# Allegro board LED_FIN.brd (continued)
## Routing (per net, layer and track width the routed paths; a pad name or vN(x,y) marks a point on that pad's centre or on a via; arc(x,y) is an arc through that point) (continued)
COL_OUT_C21: length 257.4
  TOP w0.15: D13269.1 v1(235.25,192.8) ; D12639.1 v1(235.25,234.8) ; D13119.1 v1(235.25,202.8) ; D13179.1 v1(235.25,198.8) ; D12969.1 v1(235.25,212.8) ; D12609.1 v1(235.25,236.8) ; D13659.1 v1(235.25,166.8) ; D12699.1 v1(235.25,230.8) ; R339.1 234.7,10.6 v1(235.25,10.6) ; D13209.1 v1(235.25,196.8) ; D12909.1 v1(235.25,216.8) ; D13059.1 v1(235.25,206.8) ; D13419.1 v1(235.25,182.8) ; D13629.1 v1(235.25,168.8) ; D13599.1 v1(235.25,170.8) ; D13329.1 v1(235.25,188.8) ; D12759.1 v1(235.25,226.8) ; D12729.1 v1(235.25,228.8) ; D13389.1 v1(235.25,184.8) ; D13029.1 v1(235.25,208.8) ; D13449.1 v1(235.25,180.8) ; D13299.1 v1(235.25,190.8) ; D12579.1 v1(235.25,238.8) ; D12999.1 v1(235.25,210.8) ; D12849.1 v1(235.25,220.8) ; D12789.1 v1(235.25,224.8) ; D13239.1 v1(235.25,194.8) ; D13089.1 v1(235.25,204.8) ; D13479.1 v1(235.25,178.8) ; D12669.1 v1(235.25,232.8) ; D13569.1 v1(235.25,172.8) ; D12879.1 v1(235.25,218.8) ; D12939.1 v1(235.25,214.8) ; D13539.1 v1(235.25,174.8) ; D13509.1 v1(235.25,176.8) ; D12549.1 v1(235.25,240.8) ; D13359.1 v1(235.25,186.8) ; D12819.1 v1(235.25,222.8) ; D13149.1 v1(235.25,200.8)
  BOTTOM w0.15: v1(235.25,240.8) v1(235.25,238.8) v1(235.25,236.8) v1(235.25,234.8) v1(235.25,232.8) v1(235.25,230.8) v1(235.25,228.8) v1(235.25,226.8) v1(235.25,224.8) v1(235.25,222.8) v1(235.25,220.8) v1(235.25,218.8) v1(235.25,216.8) v1(235.25,214.8) v1(235.25,212.8) v1(235.25,210.8) v1(235.25,208.8) v1(235.25,206.8) v1(235.25,204.8) v1(235.25,202.8) v1(235.25,200.8) v1(235.25,198.8) v1(235.25,196.8) v1(235.25,194.8) v1(235.25,192.8) v1(235.25,190.8) v1(235.25,188.8) v1(235.25,186.8) v1(235.25,184.8) v1(235.25,182.8) v1(235.25,180.8) v1(235.25,178.8) v1(235.25,176.8) v1(235.25,174.8) v1(235.25,172.8) v1(235.25,170.8) v1(235.25,168.8) v1(235.25,166.8) v1(235.25,10.6)
COL_OUT_C22: length 257.5
  TOP w0.15: D13508.1 v1(233.25,176.8) ; D12668.1 v1(233.25,232.8) ; D13028.1 v1(233.25,208.8) ; D12968.1 v1(233.25,212.8) ; D12698.1 v1(233.25,230.8) ; D13418.1 v1(233.25,182.8) ; D12818.1 v1(233.25,222.8) ; v1(233.25,10.6) 232.7,10.6 R338.1 ; D13268.1 v1(233.25,192.8) ; D12938.1 v1(233.25,214.8) ; D12578.1 v1(233.25,238.8) ; D12728.1 v1(233.25,228.8) ; D12548.1 v1(233.25,240.8) ; D13238.1 v1(233.25,194.8) ; D13118.1 v1(233.25,202.8) ; D13328.1 v1(233.25,188.8) ; D13598.1 v1(233.25,170.8) ; D13568.1 v1(233.25,172.8) ; D13448.1 v1(233.25,180.8) ; D12608.1 v1(233.25,236.8) ; D13388.1 v1(233.25,184.8) ; D13058.1 v1(233.25,206.8) ; D13358.1 v1(233.25,186.8) ; D13148.1 v1(233.25,200.8) ; D13298.1 v1(233.25,190.8) ; D12908.1 v1(233.25,216.8) ; D12638.1 v1(233.25,234.8) ; D13088.1 v1(233.25,204.8) ; D13628.1 v1(233.25,168.8) ; D13178.1 v1(233.25,198.8) ; D12998.1 v1(233.25,210.8) ; D13658.1 v1(233.25,166.8) ; D12758.1 v1(233.25,226.8) ; D13538.1 v1(233.25,174.8) ; D12848.1 v1(233.25,220.8) ; D13478.1 v1(233.25,178.8) ; D13208.1 v1(233.25,196.8) ; D12878.1 v1(233.25,218.8) ; D12788.1 v1(233.25,224.8)
  BOTTOM w0.15: v1(233.25,10.6) 233.38,10.73 233.38,41.77 233.28,41.87 233.28,166.77 v1(233.25,166.8) v1(233.25,168.8) v1(233.25,170.8) v1(233.25,172.8) v1(233.25,174.8) v1(233.25,176.8) v1(233.25,178.8) v1(233.25,180.8) v1(233.25,182.8) v1(233.25,184.8) v1(233.25,186.8) v1(233.25,188.8) v1(233.25,190.8) v1(233.25,192.8) v1(233.25,194.8) v1(233.25,196.8) v1(233.25,198.8) v1(233.25,200.8) v1(233.25,202.8) v1(233.25,204.8) v1(233.25,206.8) v1(233.25,208.8) v1(233.25,210.8) v1(233.25,212.8) v1(233.25,214.8) v1(233.25,216.8) v1(233.25,218.8) v1(233.25,220.8) v1(233.25,222.8) v1(233.25,224.8) v1(233.25,226.8) v1(233.25,228.8) v1(233.25,230.8) v1(233.25,232.8) v1(233.25,234.8) v1(233.25,236.8) v1(233.25,238.8) v1(233.25,240.8)
COL_OUT_C23: length 258
  TOP w0.15: D13297.1 v1(231.25,190.8) ; D12757.1 v1(231.25,226.8) ; D13207.1 v1(231.25,196.8) ; D12697.1 v1(231.25,230.8) ; D13447.1 v1(231.25,180.8) ; D13357.1 v1(231.25,186.8) ; R337.1 230.7,10.6 v1(231.25,10.6) ; D13507.1 v1(231.25,176.8) ; D12907.1 v1(231.25,216.8) ; D13537.1 v1(231.25,174.8) ; D13237.1 v1(231.25,194.8) ; D13177.1 v1(231.25,198.8) ; D12607.1 v1(231.25,236.8) ; D13597.1 v1(231.25,170.8) ; D12967.1 v1(231.25,212.8) ; D12877.1 v1(231.25,218.8) ; D12997.1 v1(231.25,210.8) ; D12637.1 v1(231.25,234.8) ; D13477.1 v1(231.25,178.8) ; D12937.1 v1(231.25,214.8) ; D12547.1 v1(231.25,240.8) ; D13057.1 v1(231.25,206.8) ; D13087.1 v1(231.25,204.8) ; D12727.1 v1(231.25,228.8) ; D12787.1 v1(231.25,224.8) ; D13147.1 v1(231.25,200.8) ; D12577.1 v1(231.25,238.8) ; D13657.1 v1(231.25,166.8) ; D12847.1 v1(231.25,220.8) ; D12667.1 v1(231.25,232.8) ; D13027.1 v1(231.25,208.8) ; D12817.1 v1(231.25,222.8) ; D13117.1 v1(231.25,202.8) ; D13387.1 v1(231.25,184.8) ; D13327.1 v1(231.25,188.8) ; D13417.1 v1(231.25,182.8) ; D13267.1 v1(231.25,192.8) ; D13627.1 v1(231.25,168.8) ; D13567.1 v1(231.25,172.8)
  BOTTOM w0.15: v1(231.25,10.6) 231.25,11.1 230.91,11.44 230.91,41.77 231.16,42.02 231.16,129.63 230.81,129.98 230.81,131.75 231.25,132.19 v1(231.25,166.8) v1(231.25,168.8) v1(231.25,170.8) v1(231.25,172.8) v1(231.25,174.8) v1(231.25,176.8) v1(231.25,178.8) v1(231.25,180.8) v1(231.25,182.8) v1(231.25,184.8) v1(231.25,186.8) v1(231.25,188.8) v1(231.25,190.8) v1(231.25,192.8) v1(231.25,194.8) v1(231.25,196.8) v1(231.25,198.8) v1(231.25,200.8) v1(231.25,202.8) v1(231.25,204.8) v1(231.25,206.8) v1(231.25,208.8) v1(231.25,210.8) v1(231.25,212.8) v1(231.25,214.8) v1(231.25,216.8) v1(231.25,218.8) v1(231.25,220.8) v1(231.25,222.8) v1(231.25,224.8) v1(231.25,226.8) v1(231.25,228.8) v1(231.25,230.8) v1(231.25,232.8) v1(231.25,234.8) v1(231.25,236.8) v1(231.25,238.8) v1(231.25,240.8)
COL_OUT_C24: length 257.7
  TOP w0.15: R336.1 228.7,10.6 v1(229.25,10.6) ; D13176.1 v1(229.25,198.8) ; D12906.1 v1(229.25,216.8) ; D13026.1 v1(229.25,208.8) ; D13416.1 v1(229.25,182.8) ; D12726.1 v1(229.25,228.8) ; D13476.1 v1(229.25,178.8) ; D13086.1 v1(229.25,204.8) ; D13656.1 v1(229.25,166.8) ; D13146.1 v1(229.25,200.8) ; D12756.1 v1(229.25,226.8) ; D13356.1 v1(229.25,186.8) ; D12786.1 v1(229.25,224.8) ; D12846.1 v1(229.25,220.8) ; D13116.1 v1(229.25,202.8) ; D12876.1 v1(229.25,218.8) ; D13386.1 v1(229.25,184.8) ; D12816.1 v1(229.25,222.8) ; D12996.1 v1(229.25,210.8) ; D13446.1 v1(229.25,180.8) ; D13506.1 v1(229.25,176.8) ; D12546.1 v1(229.25,240.8) ; D12576.1 v1(229.25,238.8) ; D12666.1 v1(229.25,232.8) ; D12936.1 v1(229.25,214.8) ; D13296.1 v1(229.25,190.8) ; D12606.1 v1(229.25,236.8) ; D12636.1 v1(229.25,234.8) ; D13626.1 v1(229.25,168.8) ; D13536.1 v1(229.25,174.8) ; D13266.1 v1(229.25,192.8) ; D13206.1 v1(229.25,196.8) ; D13596.1 v1(229.25,170.8) ; D13236.1 v1(229.25,194.8) ; D13056.1 v1(229.25,206.8) ; D13566.1 v1(229.25,172.8) ; D12966.1 v1(229.25,212.8) ; D12696.1 v1(229.25,230.8) ; D13326.1 v1(229.25,188.8)
  BOTTOM w0.15: v1(229.25,240.8) v1(229.25,238.8) v1(229.25,236.8) v1(229.25,234.8) v1(229.25,232.8) v1(229.25,230.8) v1(229.25,228.8) v1(229.25,226.8) v1(229.25,224.8) v1(229.25,222.8) v1(229.25,220.8) v1(229.25,218.8) v1(229.25,216.8) v1(229.25,214.8) v1(229.25,212.8) v1(229.25,210.8) v1(229.25,208.8) v1(229.25,206.8) v1(229.25,204.8) v1(229.25,202.8) v1(229.25,200.8) v1(229.25,198.8) v1(229.25,196.8) v1(229.25,194.8) v1(229.25,192.8) v1(229.25,190.8) v1(229.25,188.8) v1(229.25,186.8) v1(229.25,184.8) v1(229.25,182.8) v1(229.25,180.8) v1(229.25,178.8) v1(229.25,176.8) v1(229.25,174.8) v1(229.25,172.8) v1(229.25,170.8) v1(229.25,168.8) v1(229.25,166.8) 229.25,131.97 229.47,131.75 229.47,41.87 229.57,41.77 229.57,11.42 229.25,11.1 v1(229.25,10.6)
COL_OUT_C25: length 257.6
  TOP w0.15: D13595.1 v1(227.25,170.8) ; D13325.1 v1(227.25,188.8) ; D12995.1 v1(227.25,210.8) ; D12635.1 v1(227.25,234.8) ; D12935.1 v1(227.25,214.8) ; D13565.1 v1(227.25,172.8) ; D13145.1 v1(227.25,200.8) ; D13205.1 v1(227.25,196.8) ; D12785.1 v1(227.25,224.8) ; D12725.1 v1(227.25,228.8) ; D12605.1 v1(227.25,236.8) ; D13445.1 v1(227.25,180.8) ; D13055.1 v1(227.25,206.8) ; D12695.1 v1(227.25,230.8) ; D12845.1 v1(227.25,220.8) ; D12965.1 v1(227.25,212.8) ; D12665.1 v1(227.25,232.8) ; D13505.1 v1(227.25,176.8) ; D12875.1 v1(227.25,218.8) ; D13535.1 v1(227.25,174.8) ; D13475.1 v1(227.25,178.8) ; D12545.1 v1(227.25,240.8) ; D12755.1 v1(227.25,226.8) ; D12575.1 v1(227.25,238.8) ; D12905.1 v1(227.25,216.8) ; D13265.1 v1(227.25,192.8) ; D13655.1 v1(227.25,166.8) ; D13115.1 v1(227.25,202.8) ; v1(227.25,10.6) 226.7,10.6 R335.1 ; D12815.1 v1(227.25,222.8) ; D13385.1 v1(227.25,184.8) ; D13235.1 v1(227.25,194.8) ; D13085.1 v1(227.25,204.8) ; D13295.1 v1(227.25,190.8) ; D13175.1 v1(227.25,198.8) ; D13625.1 v1(227.25,168.8) ; D13355.1 v1(227.25,186.8) ; D13415.1 v1(227.25,182.8) ; D13025.1 v1(227.25,208.8)
  BOTTOM w0.15: v1(227.25,10.6) 227.1,10.75 227.1,129.88 227,129.98 227,131.75 227.25,132 v1(227.25,166.8) v1(227.25,168.8) v1(227.25,170.8) v1(227.25,172.8) v1(227.25,174.8) v1(227.25,176.8) v1(227.25,178.8) v1(227.25,180.8) v1(227.25,182.8) v1(227.25,184.8) v1(227.25,186.8) v1(227.25,188.8) v1(227.25,190.8) v1(227.25,192.8) v1(227.25,194.8) v1(227.25,196.8) v1(227.25,198.8) v1(227.25,200.8) v1(227.25,202.8) v1(227.25,204.8) v1(227.25,206.8) v1(227.25,208.8) v1(227.25,210.8) v1(227.25,212.8) v1(227.25,214.8) v1(227.25,216.8) v1(227.25,218.8) v1(227.25,220.8) v1(227.25,222.8) v1(227.25,224.8) v1(227.25,226.8) v1(227.25,228.8) v1(227.25,230.8) v1(227.25,232.8) v1(227.25,234.8) v1(227.25,236.8) v1(227.25,238.8) v1(227.25,240.8)
COL_OUT_C26: length 258.1
  TOP w0.15: D13174.1 v1(225.25,198.8) ; D13564.1 v1(225.25,172.8) ; D13594.1 v1(225.25,170.8) ; D13354.1 v1(225.25,186.8) ; D12814.1 v1(225.25,222.8) ; D12964.1 v1(225.25,212.8) ; D13624.1 v1(225.25,168.8) ; D13114.1 v1(225.25,202.8) ; D13534.1 v1(225.25,174.8) ; v1(225.25,10.6) 224.7,10.6 R334.1 ; D12604.1 v1(225.25,236.8) ; D12754.1 v1(225.25,226.8) ; D13264.1 v1(225.25,192.8) ; D12694.1 v1(225.25,230.8) ; D13234.1 v1(225.25,194.8) ; D12724.1 v1(225.25,228.8) ; D12904.1 v1(225.25,216.8) ; D13144.1 v1(225.25,200.8) ; D12934.1 v1(225.25,214.8) ; D12574.1 v1(225.25,238.8) ; D13054.1 v1(225.25,206.8) ; D12844.1 v1(225.25,220.8) ; D13654.1 v1(225.25,166.8) ; D12874.1 v1(225.25,218.8) ; D13084.1 v1(225.25,204.8) ; D12994.1 v1(225.25,210.8) ; D12784.1 v1(225.25,224.8) ; D13504.1 v1(225.25,176.8) ; D13414.1 v1(225.25,182.8) ; D13324.1 v1(225.25,188.8) ; D13294.1 v1(225.25,190.8) ; D12544.1 v1(225.25,240.8) ; D13384.1 v1(225.25,184.8) ; D13204.1 v1(225.25,196.8) ; D13474.1 v1(225.25,178.8) ; D12664.1 v1(225.25,232.8) ; D13444.1 v1(225.25,180.8) ; D12634.1 v1(225.25,234.8) ; D13024.1 v1(225.25,208.8)
  BOTTOM w0.15: v1(225.25,240.8) v1(225.25,238.8) v1(225.25,236.8) v1(225.25,234.8) v1(225.25,232.8) v1(225.25,230.8) v1(225.25,228.8) v1(225.25,226.8) v1(225.25,224.8) v1(225.25,222.8) v1(225.25,220.8) v1(225.25,218.8) v1(225.25,216.8) v1(225.25,214.8) v1(225.25,212.8) v1(225.25,210.8) v1(225.25,208.8) v1(225.25,206.8) v1(225.25,204.8) v1(225.25,202.8) v1(225.25,200.8) v1(225.25,198.8) v1(225.25,196.8) v1(225.25,194.8) v1(225.25,192.8) v1(225.25,190.8) v1(225.25,188.8) v1(225.25,186.8) v1(225.25,184.8) v1(225.25,182.8) v1(225.25,180.8) v1(225.25,178.8) v1(225.25,176.8) v1(225.25,174.8) v1(225.25,172.8) v1(225.25,170.8) v1(225.25,168.8) v1(225.25,166.8) 225.25,132.16 225.66,131.75 225.66,129.98 225.41,129.73 225.41,42.12 225.76,41.77 225.76,40 225.25,39.49 v1(225.25,10.6)
COL_OUT_C27: length 257.5
  TOP w0.15: D13623.1 v1(223.25,168.8) ; D12573.1 v1(223.25,238.8) ; D12843.1 v1(223.25,220.8) ; D13113.1 v1(223.25,202.8) ; D12543.1 v1(223.25,240.8) ; D12933.1 v1(223.25,214.8) ; D13383.1 v1(223.25,184.8) ; D13503.1 v1(223.25,176.8) ; D12813.1 v1(223.25,222.8) ; D12663.1 v1(223.25,232.8) ; D13263.1 v1(223.25,192.8) ; D12903.1 v1(223.25,216.8) ; D13353.1 v1(223.25,186.8) ; R333.1 222.7,10.6 v1(223.25,10.6) ; D13203.1 v1(223.25,196.8) ; D13173.1 v1(223.25,198.8) ; D13413.1 v1(223.25,182.8) ; D12693.1 v1(223.25,230.8) ; D13323.1 v1(223.25,188.8) ; D13593.1 v1(223.25,170.8) ; D12993.1 v1(223.25,210.8) ; D13533.1 v1(223.25,174.8) ; D12723.1 v1(223.25,228.8) ; D13473.1 v1(223.25,178.8) ; D12963.1 v1(223.25,212.8) ; D13023.1 v1(223.25,208.8) ; D13443.1 v1(223.25,180.8) ; D12753.1 v1(223.25,226.8) ; D13293.1 v1(223.25,190.8) ; D12633.1 v1(223.25,234.8) ; D13143.1 v1(223.25,200.8) ; D12603.1 v1(223.25,236.8) ; D13083.1 v1(223.25,204.8) ; D13653.1 v1(223.25,166.8) ; D12783.1 v1(223.25,224.8) ; D12873.1 v1(223.25,218.8) ; D13233.1 v1(223.25,194.8) ; D13053.1 v1(223.25,206.8) ; D13563.1 v1(223.25,172.8)
  BOTTOM w0.15: v1(223.25,240.8) v1(223.25,238.8) v1(223.25,236.8) v1(223.25,234.8) v1(223.25,232.8) v1(223.25,230.8) v1(223.25,228.8) v1(223.25,226.8) v1(223.25,224.8) v1(223.25,222.8) v1(223.25,220.8) v1(223.25,218.8) v1(223.25,216.8) v1(223.25,214.8) v1(223.25,212.8) v1(223.25,210.8) v1(223.25,208.8) v1(223.25,206.8) v1(223.25,204.8) v1(223.25,202.8) v1(223.25,200.8) v1(223.25,198.8) v1(223.25,196.8) v1(223.25,194.8) v1(223.25,192.8) v1(223.25,190.8) v1(223.25,188.8) v1(223.25,186.8) v1(223.25,184.8) v1(223.25,182.8) v1(223.25,180.8) v1(223.25,178.8) v1(223.25,176.8) v1(223.25,174.8) v1(223.25,172.8) v1(223.25,170.8) v1(223.25,168.8) v1(223.25,166.8) 223.19,166.74 223.19,129.98 223.25,129.92 v1(223.25,10.6)
COL_OUT_C28: length 258.2
  TOP w0.15: D13142.1 v1(221.25,200.8) ; D13442.1 v1(221.25,180.8) ; D13652.1 v1(221.25,166.8) ; D13202.1 v1(221.25,196.8) ; D12812.1 v1(221.25,222.8) ; D13292.1 v1(221.25,190.8) ; D12842.1 v1(221.25,220.8) ; D13082.1 v1(221.25,204.8) ; v1(221.25,10.6) 220.7,10.6 R332.1 ; D13022.1 v1(221.25,208.8) ; D13052.1 v1(221.25,206.8) ; D13172.1 v1(221.25,198.8) ; D13382.1 v1(221.25,184.8) ; D13532.1 v1(221.25,174.8) ; D12692.1 v1(221.25,230.8) ; D12542.1 v1(221.25,240.8) ; D13352.1 v1(221.25,186.8) ; D13262.1 v1(221.25,192.8) ; D12632.1 v1(221.25,234.8) ; D12752.1 v1(221.25,226.8) ; D12602.1 v1(221.25,236.8) ; D12992.1 v1(221.25,210.8) ; D12932.1 v1(221.25,214.8) ; D13592.1 v1(221.25,170.8) ; D12782.1 v1(221.25,224.8) ; D13322.1 v1(221.25,188.8) ; D13112.1 v1(221.25,202.8) ; D13232.1 v1(221.25,194.8) ; D12902.1 v1(221.25,216.8) ; D13412.1 v1(221.25,182.8) ; D12872.1 v1(221.25,218.8) ; D12662.1 v1(221.25,232.8) ; D12722.1 v1(221.25,228.8) ; D12572.1 v1(221.25,238.8) ; D13622.1 v1(221.25,168.8) ; D12962.1 v1(221.25,212.8) ; D13502.1 v1(221.25,176.8) ; D13472.1 v1(221.25,178.8) ; D13562.1 v1(221.25,172.8)
  BOTTOM w0.15: v1(221.25,10.6) 220.75,11.1 220.75,41.77 221.1,42.12 221.1,129.53 220.65,129.98 220.65,131.75 221.25,132.35 v1(221.25,166.8) v1(221.25,168.8) v1(221.25,170.8) v1(221.25,172.8) v1(221.25,174.8) v1(221.25,176.8) v1(221.25,178.8) v1(221.25,180.8) v1(221.25,182.8) v1(221.25,184.8) v1(221.25,186.8) v1(221.25,188.8) v1(221.25,190.8) v1(221.25,192.8) v1(221.25,194.8) v1(221.25,196.8) v1(221.25,198.8) v1(221.25,200.8) v1(221.25,202.8) v1(221.25,204.8) v1(221.25,206.8) v1(221.25,208.8) v1(221.25,210.8) v1(221.25,212.8) v1(221.25,214.8) v1(221.25,216.8) v1(221.25,218.8) v1(221.25,220.8) v1(221.25,222.8) v1(221.25,224.8) v1(221.25,226.8) v1(221.25,228.8) v1(221.25,230.8) v1(221.25,232.8) v1(221.25,234.8) v1(221.25,236.8) v1(221.25,238.8) v1(221.25,240.8)
COL_OUT_C29: length 257.6
  TOP w0.15: D13591.1 v1(219.25,170.8) ; D13441.1 v1(219.25,180.8) ; D12901.1 v1(219.25,216.8) ; D13231.1 v1(219.25,194.8) ; D12961.1 v1(219.25,212.8) ; D13531.1 v1(219.25,174.8) ; D13171.1 v1(219.25,198.8) ; D12841.1 v1(219.25,220.8) ; D13561.1 v1(219.25,172.8) ; R331.1 218.7,10.6 v1(219.25,10.6) ; D13321.1 v1(219.25,188.8) ; D13381.1 v1(219.25,184.8) ; D12781.1 v1(219.25,224.8) ; D13291.1 v1(219.25,190.8) ; D12661.1 v1(219.25,232.8) ; D12721.1 v1(219.25,228.8) ; D13201.1 v1(219.25,196.8) ; D13051.1 v1(219.25,206.8) ; D12811.1 v1(219.25,222.8) ; D13501.1 v1(219.25,176.8) ; D13411.1 v1(219.25,182.8) ; D12691.1 v1(219.25,230.8) ; D13081.1 v1(219.25,204.8) ; D13621.1 v1(219.25,168.8) ; D13651.1 v1(219.25,166.8) ; D13111.1 v1(219.25,202.8) ; D12571.1 v1(219.25,238.8) ; D13471.1 v1(219.25,178.8) ; D13141.1 v1(219.25,200.8) ; D13351.1 v1(219.25,186.8) ; D12931.1 v1(219.25,214.8) ; D12751.1 v1(219.25,226.8) ; D12541.1 v1(219.25,240.8) ; D12601.1 v1(219.25,236.8) ; D12991.1 v1(219.25,210.8) ; D13261.1 v1(219.25,192.8) ; D13021.1 v1(219.25,208.8) ; D12871.1 v1(219.25,218.8) ; D12631.1 v1(219.25,234.8)
  BOTTOM w0.15: v1(219.25,10.6) 219.41,10.76 219.41,41.77 219.31,41.87 219.31,166.74 v1(219.25,166.8) v1(219.25,168.8) v1(219.25,170.8) v1(219.25,172.8) v1(219.25,174.8) v1(219.25,176.8) v1(219.25,178.8) v1(219.25,180.8) v1(219.25,182.8) v1(219.25,184.8) v1(219.25,186.8) v1(219.25,188.8) v1(219.25,190.8) v1(219.25,192.8) v1(219.25,194.8) v1(219.25,196.8) v1(219.25,198.8) v1(219.25,200.8) v1(219.25,202.8) v1(219.25,204.8) v1(219.25,206.8) v1(219.25,208.8) v1(219.25,210.8) v1(219.25,212.8) v1(219.25,214.8) v1(219.25,216.8) v1(219.25,218.8) v1(219.25,220.8) v1(219.25,222.8) v1(219.25,224.8) v1(219.25,226.8) v1(219.25,228.8) v1(219.25,230.8) v1(219.25,232.8) v1(219.25,234.8) v1(219.25,236.8) v1(219.25,238.8) v1(219.25,240.8)
COL_OUT_C30: length 258
  TOP w0.15: D12150.1 v1(217.25,192.8) ; D11580.1 v1(217.25,230.8) ; D11460.1 v1(217.25,238.8) ; D11700.1 v1(217.25,222.8) ; D12090.1 v1(217.25,196.8) ; D11490.1 v1(217.25,236.8) ; D11430.1 v1(217.25,240.8) ; v1(217.25,10.6) 216.7,10.6 R330.1 ; D12480.1 v1(217.25,170.8) ; D11520.1 v1(217.25,234.8) ; D11670.1 v1(217.25,224.8) ; D12330.1 v1(217.25,180.8) ; D12270.1 v1(217.25,184.8) ; D11820.1 v1(217.25,214.8) ; D12030.1 v1(217.25,200.8) ; D12540.1 v1(217.25,166.8) ; D11730.1 v1(217.25,220.8) ; D11910.1 v1(217.25,208.8) ; D12000.1 v1(217.25,202.8) ; D11850.1 v1(217.25,212.8) ; D11640.1 v1(217.25,226.8) ; D11550.1 v1(217.25,232.8) ; D11760.1 v1(217.25,218.8) ; D11610.1 v1(217.25,228.8) ; D12360.1 v1(217.25,178.8) ; D12510.1 v1(217.25,168.8) ; D11970.1 v1(217.25,204.8) ; D11790.1 v1(217.25,216.8) ; D12240.1 v1(217.25,186.8) ; D12120.1 v1(217.25,194.8) ; D12390.1 v1(217.25,176.8) ; D12300.1 v1(217.25,182.8) ; D12210.1 v1(217.25,188.8) ; D12420.1 v1(217.25,174.8) ; D12180.1 v1(217.25,190.8) ; D12450.1 v1(217.25,172.8) ; D12060.1 v1(217.25,198.8) ; D11880.1 v1(217.25,210.8) ; D11940.1 v1(217.25,206.8)
  BOTTOM w0.15: v1(217.25,10.6) 217.25,11.1 216.94,11.41 216.94,41.77 217.19,42.02 217.19,129.63 216.84,129.98 216.84,131.75 217.25,132.16 v1(217.25,166.8) v1(217.25,168.8) v1(217.25,170.8) v1(217.25,172.8) v1(217.25,174.8) v1(217.25,176.8) v1(217.25,178.8) v1(217.25,180.8) v1(217.25,182.8) v1(217.25,184.8) v1(217.25,186.8) v1(217.25,188.8) v1(217.25,190.8) v1(217.25,192.8) v1(217.25,194.8) v1(217.25,196.8) v1(217.25,198.8) v1(217.25,200.8) v1(217.25,202.8) v1(217.25,204.8) v1(217.25,206.8) v1(217.25,208.8) v1(217.25,210.8) v1(217.25,212.8) v1(217.25,214.8) v1(217.25,216.8) v1(217.25,218.8) v1(217.25,220.8) v1(217.25,222.8) v1(217.25,224.8) v1(217.25,226.8) v1(217.25,228.8) v1(217.25,230.8) v1(217.25,232.8) v1(217.25,234.8) v1(217.25,236.8) v1(217.25,238.8) v1(217.25,240.8)
COL_OUT_C31: length 257.7
  TOP w0.15: D12539.1 v1(215.25,166.8) ; D11849.1 v1(215.25,212.8) ; D12329.1 v1(215.25,180.8) ; D12209.1 v1(215.25,188.8) ; D11609.1 v1(215.25,228.8) ; D12269.1 v1(215.25,184.8) ; D11729.1 v1(215.25,220.8) ; D12359.1 v1(215.25,178.8) ; D11429.1 v1(215.25,240.8) ; D12089.1 v1(215.25,196.8) ; D12419.1 v1(215.25,174.8) ; D11639.1 v1(215.25,226.8) ; D11549.1 v1(215.25,232.8) ; D12389.1 v1(215.25,176.8) ; D11489.1 v1(215.25,236.8) ; D11579.1 v1(215.25,230.8) ; D11789.1 v1(215.25,216.8) ; D12509.1 v1(215.25,168.8) ; R329.1 214.7,10.6 v1(215.25,10.6) ; D11759.1 v1(215.25,218.8) ; D11699.1 v1(215.25,222.8) ; D12029.1 v1(215.25,200.8) ; D12149.1 v1(215.25,192.8) ; D11669.1 v1(215.25,224.8) ; D12239.1 v1(215.25,186.8) ; D11519.1 v1(215.25,234.8) ; D12059.1 v1(215.25,198.8) ; D12179.1 v1(215.25,190.8) ; D11879.1 v1(215.25,210.8) ; D11909.1 v1(215.25,208.8) ; D11819.1 v1(215.25,214.8) ; D12119.1 v1(215.25,194.8) ; D12449.1 v1(215.25,172.8) ; D11999.1 v1(215.25,202.8) ; D11969.1 v1(215.25,204.8) ; D11939.1 v1(215.25,206.8) ; D11459.1 v1(215.25,238.8) ; D12479.1 v1(215.25,170.8) ; D12299.1 v1(215.25,182.8)
  BOTTOM w0.15: v1(215.25,240.8) v1(215.25,238.8) v1(215.25,236.8) v1(215.25,234.8) v1(215.25,232.8) v1(215.25,230.8) v1(215.25,228.8) v1(215.25,226.8) v1(215.25,224.8) v1(215.25,222.8) v1(215.25,220.8) v1(215.25,218.8) v1(215.25,216.8) v1(215.25,214.8) v1(215.25,212.8) v1(215.25,210.8) v1(215.25,208.8) v1(215.25,206.8) v1(215.25,204.8) v1(215.25,202.8) v1(215.25,200.8) v1(215.25,198.8) v1(215.25,196.8) v1(215.25,194.8) v1(215.25,192.8) v1(215.25,190.8) v1(215.25,188.8) v1(215.25,186.8) v1(215.25,184.8) v1(215.25,182.8) v1(215.25,180.8) v1(215.25,178.8) v1(215.25,176.8) v1(215.25,174.8) v1(215.25,172.8) v1(215.25,170.8) v1(215.25,168.8) v1(215.25,166.8) 215.25,132 215.5,131.75 215.5,41.87 215.6,41.77 215.6,11.45 215.25,11.1 v1(215.25,10.6)
COL_OUT_C32: length 257.6
  TOP w0.15: D11578.1 v1(213.25,230.8) ; R328.1 212.7,10.6 v1(213.25,10.6) ; D12148.1 v1(213.25,192.8) ; D11638.1 v1(213.25,226.8) ; D12178.1 v1(213.25,190.8) ; D12208.1 v1(213.25,188.8) ; D12088.1 v1(213.25,196.8) ; D12478.1 v1(213.25,170.8) ; D12508.1 v1(213.25,168.8) ; D12448.1 v1(213.25,172.8) ; D12058.1 v1(213.25,198.8) ; D12028.1 v1(213.25,200.8) ; D11428.1 v1(213.25,240.8) ; D11938.1 v1(213.25,206.8) ; D11488.1 v1(213.25,236.8) ; D11848.1 v1(213.25,212.8) ; D11698.1 v1(213.25,222.8) ; D11518.1 v1(213.25,234.8) ; D11998.1 v1(213.25,202.8) ; D12328.1 v1(213.25,180.8) ; D11728.1 v1(213.25,220.8) ; D12238.1 v1(213.25,186.8) ; D11608.1 v1(213.25,228.8) ; D11548.1 v1(213.25,232.8) ; D11818.1 v1(213.25,214.8) ; D12268.1 v1(213.25,184.8) ; D12358.1 v1(213.25,178.8) ; D12118.1 v1(213.25,194.8) ; D11908.1 v1(213.25,208.8) ; D12418.1 v1(213.25,174.8) ; D11668.1 v1(213.25,224.8) ; D12538.1 v1(213.25,166.8) ; D12388.1 v1(213.25,176.8) ; D12298.1 v1(213.25,182.8) ; D11968.1 v1(213.25,204.8) ; D11758.1 v1(213.25,218.8) ; D11788.1 v1(213.25,216.8) ; D11878.1 v1(213.25,210.8) ; D11458.1 v1(213.25,238.8)
  BOTTOM w0.15: v1(213.25,240.8) v1(213.25,238.8) v1(213.25,236.8) v1(213.25,234.8) v1(213.25,232.8) v1(213.25,230.8) v1(213.25,228.8) v1(213.25,226.8) v1(213.25,224.8) v1(213.25,222.8) v1(213.25,220.8) v1(213.25,218.8) v1(213.25,216.8) v1(213.25,214.8) v1(213.25,212.8) v1(213.25,210.8) v1(213.25,208.8) v1(213.25,206.8) v1(213.25,204.8) v1(213.25,202.8) v1(213.25,200.8) v1(213.25,198.8) v1(213.25,196.8) v1(213.25,194.8) v1(213.25,192.8) v1(213.25,190.8) v1(213.25,188.8) v1(213.25,186.8) v1(213.25,184.8) v1(213.25,182.8) v1(213.25,180.8) v1(213.25,178.8) v1(213.25,176.8) v1(213.25,174.8) v1(213.25,172.8) v1(213.25,170.8) v1(213.25,168.8) v1(213.25,166.8) 213.25,131.97 213.03,131.75 213.03,129.98 213.13,129.88 213.13,10.72 v1(213.25,10.6)
COL_OUT_C33: length 258.1
  TOP w0.15: D12297.1 v1(211.25,182.8) ; D12027.1 v1(211.25,200.8) ; D11907.1 v1(211.25,208.8) ; D12087.1 v1(211.25,196.8) ; D11487.1 v1(211.25,236.8) ; D12207.1 v1(211.25,188.8) ; D12537.1 v1(211.25,166.8) ; D11967.1 v1(211.25,204.8) ; R327.1 210.7,10.6 v1(211.25,10.6) ; D12117.1 v1(211.25,194.8) ; D12477.1 v1(211.25,170.8) ; D12177.1 v1(211.25,190.8) ; D11637.1 v1(211.25,226.8) ; D12267.1 v1(211.25,184.8) ; D11427.1 v1(211.25,240.8) ; D12447.1 v1(211.25,172.8) ; D11817.1 v1(211.25,214.8) ; D12327.1 v1(211.25,180.8) ; D11937.1 v1(211.25,206.8) ; D11517.1 v1(211.25,234.8) ; D11667.1 v1(211.25,224.8) ; D12147.1 v1(211.25,192.8) ; D11697.1 v1(211.25,222.8) ; D11757.1 v1(211.25,218.8) ; D11607.1 v1(211.25,228.8) ; D11727.1 v1(211.25,220.8) ; D11787.1 v1(211.25,216.8) ; D12507.1 v1(211.25,168.8) ; D11547.1 v1(211.25,232.8) ; D12417.1 v1(211.25,174.8) ; D11877.1 v1(211.25,210.8) ; D12237.1 v1(211.25,186.8) ; D11457.1 v1(211.25,238.8) ; D11577.1 v1(211.25,230.8) ; D11847.1 v1(211.25,212.8) ; D12057.1 v1(211.25,198.8) ; D12387.1 v1(211.25,176.8) ; D11997.1 v1(211.25,202.8) ; D12357.1 v1(211.25,178.8)
  BOTTOM w0.15: v1(211.25,10.6) 211.25,39.46 211.79,40 211.79,41.77 211.44,42.12 211.44,129.73 211.69,129.98 211.69,131.75 211.25,132.19 v1(211.25,166.8) v1(211.25,168.8) v1(211.25,170.8) v1(211.25,172.8) v1(211.25,174.8) v1(211.25,176.8) v1(211.25,178.8) v1(211.25,180.8) v1(211.25,182.8) v1(211.25,184.8) v1(211.25,186.8) v1(211.25,188.8) v1(211.25,190.8) v1(211.25,192.8) v1(211.25,194.8) v1(211.25,196.8) v1(211.25,198.8) v1(211.25,200.8) v1(211.25,202.8) v1(211.25,204.8) v1(211.25,206.8) v1(211.25,208.8) v1(211.25,210.8) v1(211.25,212.8) v1(211.25,214.8) v1(211.25,216.8) v1(211.25,218.8) v1(211.25,220.8) v1(211.25,222.8) v1(211.25,224.8) v1(211.25,226.8) v1(211.25,228.8) v1(211.25,230.8) v1(211.25,232.8) v1(211.25,234.8) v1(211.25,236.8) v1(211.25,238.8) v1(211.25,240.8)
COL_OUT_C34: length 257.4
  TOP w0.15: D12086.1 v1(209.25,196.8) ; D11816.1 v1(209.25,214.8) ; D11876.1 v1(209.25,210.8) ; D12326.1 v1(209.25,180.8) ; D12236.1 v1(209.25,186.8) ; D11756.1 v1(209.25,218.8) ; D12446.1 v1(209.25,172.8) ; D11486.1 v1(209.25,236.8) ; R326.1 208.7,10.6 v1(209.25,10.6) ; D12266.1 v1(209.25,184.8) ; D11546.1 v1(209.25,232.8) ; D11606.1 v1(209.25,228.8) ; D11456.1 v1(209.25,238.8) ; D11846.1 v1(209.25,212.8) ; D11426.1 v1(209.25,240.8) ; D11906.1 v1(209.25,208.8) ; D12026.1 v1(209.25,200.8) ; D12206.1 v1(209.25,188.8) ; D12176.1 v1(209.25,190.8) ; D11936.1 v1(209.25,206.8) ; D12116.1 v1(209.25,194.8) ; D11996.1 v1(209.25,202.8) ; D11786.1 v1(209.25,216.8) ; D12146.1 v1(209.25,192.8) ; D12536.1 v1(209.25,166.8) ; D11726.1 v1(209.25,220.8) ; D12056.1 v1(209.25,198.8) ; D11576.1 v1(209.25,230.8) ; D12416.1 v1(209.25,174.8) ; D11696.1 v1(209.25,222.8) ; D11666.1 v1(209.25,224.8) ; D12476.1 v1(209.25,170.8) ; D12296.1 v1(209.25,182.8) ; D12356.1 v1(209.25,178.8) ; D11636.1 v1(209.25,226.8) ; D11966.1 v1(209.25,204.8) ; D12386.1 v1(209.25,176.8) ; D12506.1 v1(209.25,168.8) ; D11516.1 v1(209.25,234.8)